# KiCad board LV08.kicad_pcb (continued)
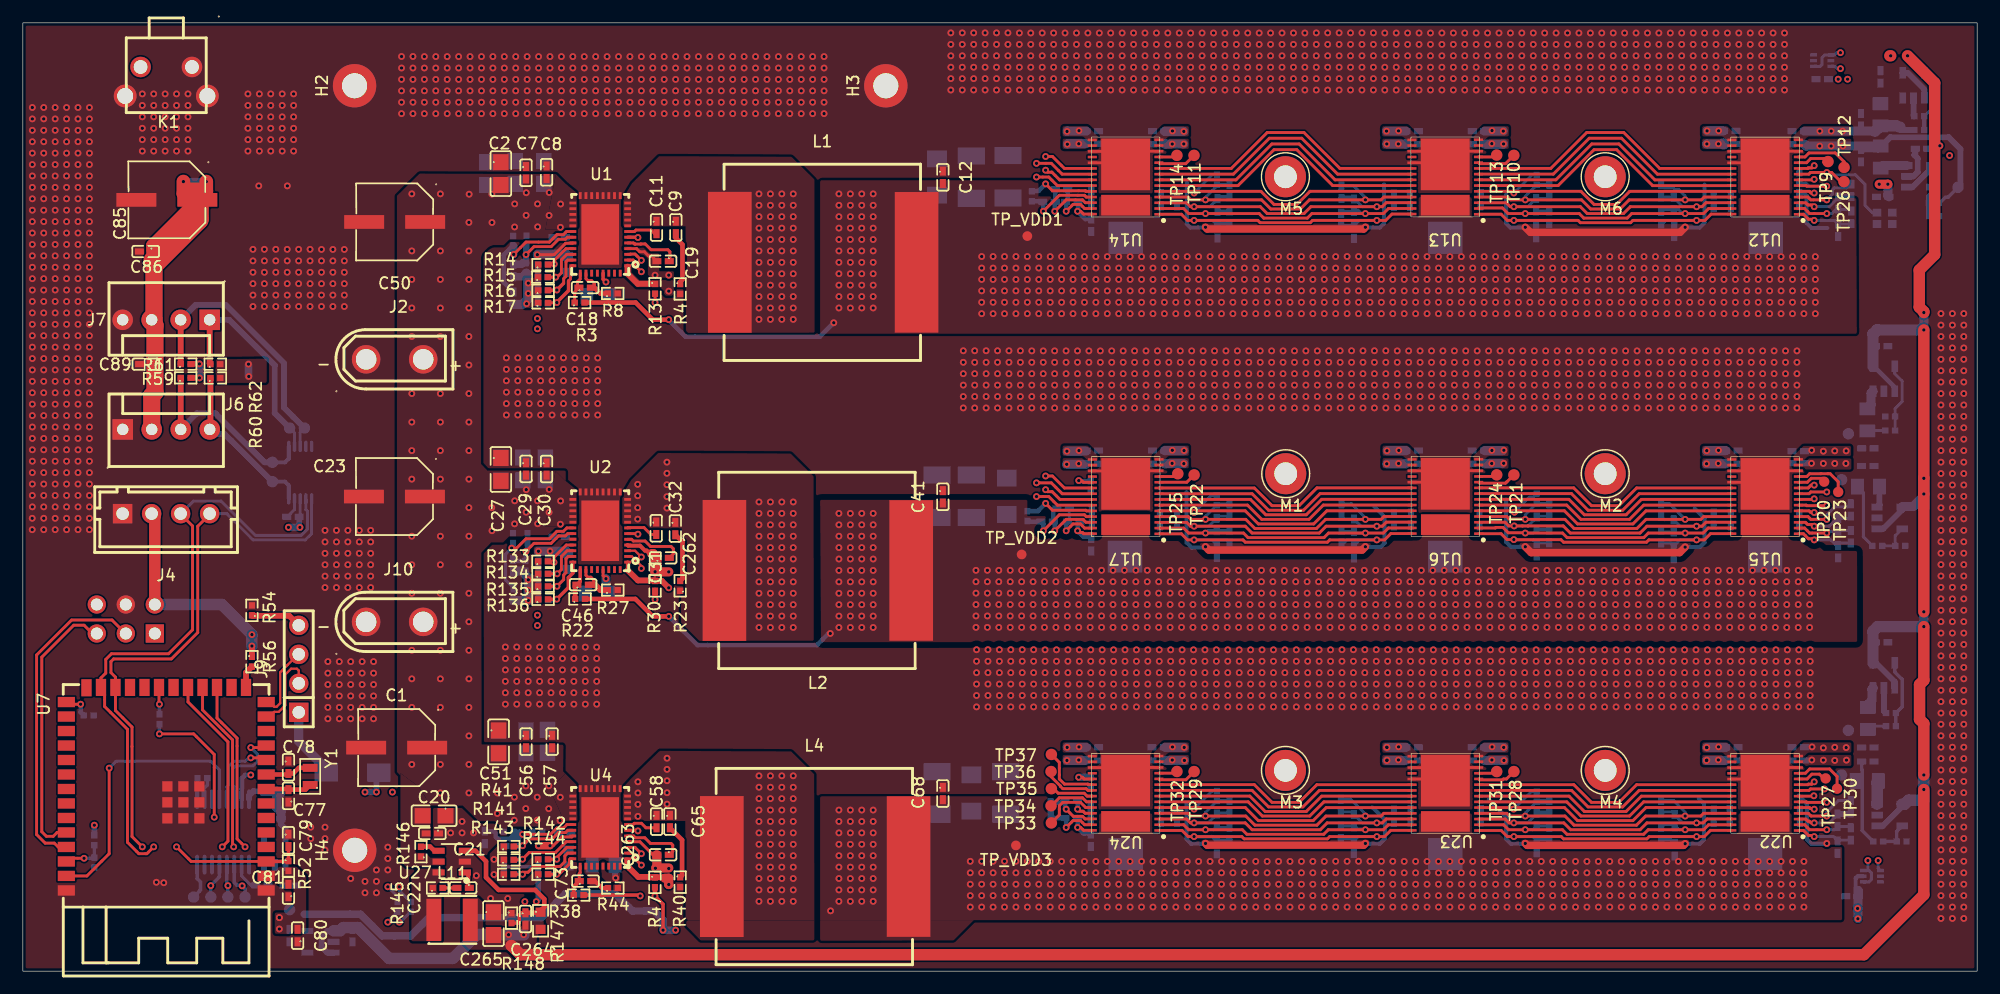
[diagram p0: board, top side]
## Routing (per net, layer and track width the routed paths; a pad name or vN(x,y) marks a point on that pad's centre or on a via; arc(x,y) is an arc through that point) (continued)
VCC_1V8_IO: length 7.4
  Bottom w0.508: C82.1 20.18,15.77 19.81,15.4 U8.16 ; C74.2 22.61,12.87 23.01,12.47 U6.5
  Bottom w0.8: C82.1 22.28,15.77 TP_1V8_IO1.1 22.21,15.35 22.21,14.34 22.24,14.34 22.61,13.97 C74.2
VCC_3V3: length 379.7
  Top w0.254: v1(55.36,58.6) 55.36,59.37 R13.2
  Top w0.3: v1(55.35,6.58) 56.06,5.87 v1(56.06,3.59)
  Top w0.4: 55.36,6.57 v1(55.35,6.58) R47.2
  Top w0.508: v1(15.46,52) 14.69,52 R59.2 ; R56.1 v1(20.06,28.5) ; R30.2 v1(55.36,32.57) ; v1(15.46,53.22) 14.71,53.22 R61.2
  Top w1: J4.2 11.56,39.81 J3.2
  In2.Cu w0.3: 158.81,3.09 158.36,3.09
  In2.Cu w0.4: 158.81,3.09 159.96,3.09 160.46,3.59 160.46,4.37 v1(160.69,4.59) ; v1(57.16,3.59) 57.66,3.09 158.36,3.09 ; v1(160.66,5.5) 160.51,5.65 160.51,5.87 160.36,6.02 160.36,13.12 160.46,13.22 160.46,15.9 162.66,18.09 162.66,40.62 163.16,41.12 163.16,66.17 161.36,67.97 161.36,77.09 160.28,78.17 v1(159.78,78.17)
  In2.Cu w0.508: v1(158.96,78.17) v1(159.78,78.17)
  In2.Cu w0.8: v1(20.06,28.5) 20.06,21.82 21.38,20.5 21.38,18.12 20.46,17.2 v1(19.96,17.2) 19.96,14.09 22.46,11.59 v1(22.46,4.7) v1(22.46,3.7) ; J3.2 11.56,39.78 11.29,40.04 11.29,41.73 15.16,45.59 17.16,45.59 18.26,46.7 18.26,48.3 15.46,51.1 v1(15.46,52)
  In4.Cu w0.4: v1(55.36,58.6) 56.06,57.9 56.76,57.9 57.26,57.4 57.26,34.7 56.86,34.3 56.26,34.3 55.36,33.4 v1(55.36,32.57) 55.38,32.57 56.16,31.8 56.86,31.8 57.26,31.4 57.26,8.7 56.86,8.3 56.26,8.3 55.36,7.4 55.36,6.59 v1(55.35,6.58)
  In4.Cu w0.508: v1(55.35,6.58) 55.38,6.62
  In4.Cu w0.8: J4.2 11.28,39.2 12.49,38 22.36,38 v1(23.26,38.9)
  Bottom w0.254: 24.31,39.82 24.29,39.84 U9.3
  Bottom w0.35: U10.5 160.66,8.32 160.49,8.16 160.49,7.27 160.7,7.07
  Bottom w0.4: v1(19.96,17.2) 19.46,17.2 19.18,16.92 19.18,16 19.16,15.97 U8.15
  Bottom w0.508: v1(24.26,38.9) 24.2,38.95 C84.2
  Bottom w0.65: v1(15.46,53.22) v1(15.46,52) ; 24.63,5 29.56,5 31.46,3.09 33.96,3.09 35.56,4.7 45.41,4.7 47.51,6.8 51.86,6.8 53.38,5.27 54.49,5.27 54.51,5.3 55.26,5.3 56.06,4.5 v1(56.06,3.59) v1(57.16,3.59) ; v1(23.26,38.9) v1(24.26,38.9)
  Bottom w0.8: v1(160.69,4.59) 160.69,5.47 v1(160.66,5.5) 160.69,5.52 160.69,6.55 C87.1 160.71,7.05 160.7,7.07
  Bottom w1: J3.2 17.42,32.13 v1(20.06,29.5) v1(20.06,28.5)
VCC_5V0: length 336.1
  Top w1: v1(166.46,30.2) 166.46,25.5 166.09,25.12 166.09,22.07 166.46,21.7 v1(166.46,17.2) ; v1(166.46,57.72) 166.46,57.8 166.06,58.2 166.06,61.45 167.41,62.8 167.41,77.84 v1(165.03,80.22) ; v1(166.46,31.5) v1(166.46,41.82) v1(166.46,43.2) v1(166.46,56.2) ; 42.76,2.24 42.79,2.24 43.59,1.45 161.21,1.45 166.46,6.7 v1(166.46,15.92) ; 163.49,80.22 v1(163.56,80.22)
  In2.Cu w0.8: v1(19.79,52.12) 19.79,52.02 20.16,51.65 20.16,37.59 22.16,35.59 22.16,21.9 25.26,18.8 27.86,18.8 28.18,18.47 ; v1(168.72,71.48) 167.96,72.24 167.96,72.24 v1(167.87,72.34)
  In2.Cu w1: v1(166.46,17.2) v1(166.46,15.92) ; v1(29.96,15.7) 30.09,15.7 36.56,9.22 36.56,7.5 40.86,3.2 v1(42.54,3.2) v1(43.86,3.2) ; v1(30.96,15.7) 28.18,18.47 ; v1(163.56,80.22) v1(165.03,80.22)
  Bottom w0.3: 163.91,51.17 U20.1 ; U20.4 162.06,53.02
  Bottom w0.4: 162.06,53.02 163.91,51.17
  Bottom w0.508: U25.1 163.91,25.37 162.26,27.02 U25.4 ; U18.4 165.06,78.72 166.51,77.27 U18.1 ; D1.2 30.96,17.21 v1(30.96,15.7) v1(29.96,15.7) ; U3.3 26.66,1.62 26.16,2.12 26.16,3.02 26.66,3.52 U3.1 ; U21.4 164.56,40.42 162.91,38.77 U21.1 ; U19.4 167.17,70.41 165.47,68.71 U19.1 ; U26.4 164.57,14.43 162.87,12.73 U26.1
  Bottom w0.65: v1(19.76,53.2) 19.76,52.15 v1(19.79,52.12)
  Bottom w0.8: v1(166.46,57.72) v1(166.46,56.2) ; v1(166.46,31.5) v1(166.46,30.2) ; U21.4 164.61,40.72 165.53,40.72 166.46,41.65 v1(166.46,41.82)
  Bottom w1: U26.4 164.79,14.63 165.14,14.99 166.46,14.99 166.46,14.99 v1(166.46,17.2) ; v1(43.86,3.2) 43.86,3.2 TP_5V0.1 41.23,3.22 39.76,3.22 37.66,1.12 32.06,1.12 29.36,3.82 28.06,3.82 27.78,3.54 27.21,3.54 ; U20.4 162.01,55.84 162.36,56.2 v1(166.46,56.2) ; U25.4 162.01,29.79 162.41,30.2 v1(166.46,30.2) ; v1(166.46,43.2) C194.2
VCC_12V0: length 34.9
  Top w0.254: J7.3 11.28,56.94 11.26,56.92
  Top w1: C86.1 11.3,63.62 C85.1
  Top w1.2: v1(16.06,69.2) 16.06,68.38 ; 16.06,68.38 16.06,67.7 ; 16.06,68.38 15.93,68.51 14.43,68.51 14.06,68.14 v1(14.06,69.2)
  Top w1.5: 11.56,61.95 11.49,61.87 11.49,57.15 11.26,56.92 11.57,56.61 11.57,50.73 11.29,50.45 J6.2
  Top w2: C85.1 15.28,65.94 11.56,62.22
  Bottom w0.65: v1(14.06,69.2) v1(16.06,69.2)
  vias: v1(34.06,68.12) v1(34.06,63.12) v1(34.06,60.62) v1(34.06,58.12) v1(34.06,55.62) v1(34.06,50.62) v1(34.06,48.12) v1(34.06,45.62) v1(34.06,43.12) v1(34.06,38.12) v1(34.06,35.62) v1(34.06,33.12) v1(34.06,28.12) v1(34.06,25.62) v1(34.06,23.12) v1(34.06,18.12) v1(36.56,68.12) v1(36.56,63.12) v1(36.56,60.62) v1(36.56,58.12) v1(36.56,55.62) v1(36.56,50.62) v1(36.56,48.12) v1(36.56,45.62) v1(36.56,43.12) v1(36.56,38.12) v1(36.56,35.62) v1(36.56,33.12) v1(36.56,28.12) v1(36.56,25.62) v1(36.56,23.12) v1(36.56,18.12) v1(36.56,15.62) v1(39.08,68.09) v1(39.06,65.62) v1(39.06,63.12) v1(39.06,60.62) v1(39.06,58.12) v1(39.06,55.62) v1(39.06,53.12) v1(39.06,50.62) v1(39.06,48.12) v1(39.06,45.62) v1(39.06,43.12) v1(39.06,40.62) v1(39.06,38.12) v1(39.06,35.62) v1(39.06,33.12) v1(39.06,30.62) v1(39.06,28.12) v1(39.06,25.62) v1(39.06,23.12) v1(39.06,20.62) v1(39.06,18.12) v1(39.06,15.62) v1(41.07,68.1) v1(41.08,65.61) v1(41.06,40.62) v1(41.08,38.6) v1(41.56,15.62) v1(41.55,13.82) v1(43.07,67.24) v1(43.06,65.22) v1(43.07,41.22) v1(43.06,39.2) v1(43.04,15.25) v1(43.03,13.23) v1(44.08,68.22) v1(44.07,66.24) v1(44.08,42.2) v1(44.07,40.22) v1(44.05,16.23) v1(44.04,14.25) v1(45.07,67.24) v1(45.08,65.23) v1(45.07,41.22) v1(45.08,39.21) v1(45.04,15.25) v1(45.05,13.24) v1(46.09,68.24) v1(46.08,66.23) v1(46.09,42.22) v1(46.08,40.21) v1(46.06,16.25) v1(46.05,14.24) v1(47.09,67.23) v1(47.07,65.19) v1(47.09,41.21) v1(47.07,39.17) v1(47.06,15.24) v1(47.04,13.2)
/BM1366_mode1_sheet_1/BI: length 5
  Top w0.254: v1(157.96,68.8) 156.21,68.8 156.16,68.84 U12.6
  Bottom w0.254: R69.2 156.15,69.05 156.41,68.8 v1(157.96,68.8)
/BM1366_mode1_sheet_1/BO1: length 120.2
  Top w0.254: v1(88.76,69.59) 89.84,69.59 90.59,68.84 U14.23 ; v1(157.96,40.8) 156.21,40.8 156.16,40.84 U15.6
  In2.Cu w0.254: v1(157.96,40.8) 159.99,40.8 161.92,42.73 161.92,65.26 158.66,68.52 158.66,69 158.26,69.4 157.71,69.4 157.11,68.8 156.56,68.8 156.11,69.25 147.74,69.25 146.69,70.3 143.84,70.3 139.94,66.4 137.26,66.4 133.26,70.4 129.03,70.4 127.89,69.25 119.74,69.25 118.69,70.3 115.84,70.3 111.94,66.4 109.26,66.4 105.26,70.4 101.03,70.4 99.89,69.25 90.78,69.25 89.94,68.4 89.26,68.4 88.76,68.9 v1(88.76,69.59)
/BM1366_mode1_sheet_1/CI: length 227.4
  Top w0.254: v1(156.86,70.59) 156.66,70.4 156.34,70.4 156.29,70.35 U12.9
  In4.Cu w0.254: v1(156.86,70.59) 158.26,70.59 159.16,69.7 159.16,68.72 162.56,65.32 162.56,41.84 164.86,39.55 164.86,2.2 164.06,1.4 58.46,1.4 57.76,0.7 28.16,0.7 21.96,6.9 19.91,6.9 19.77,6.75 18.7,6.75 v1(17.96,7.5)
  Bottom w0.3: U8.4 17.86,7.62 17.96,7.52 17.96,7.52 v1(17.96,7.5) TP2.1
/BM1366_mode1_sheet_1/CLKI: length 11.3
  Top w0.254: TP26.1 159.19,69.19 158.39,70 v1(157.96,70) 156.53,70 156.39,69.85 U12.8
  Bottom w0.254: v1(157.96,70) 158.03,69.92 158.28,69.92 158.41,69.8 160.46,69.8 161.31,68.95 161.31,67.12 161.96,66.47 Y2.3
/BM1366_mode1_sheet_1/CLKO1: length 121
  Top w0.254: v1(157.96,42) 156.56,42 156.41,41.85 U15.8 ; v1(88.76,70.8) 90.06,70.8 91.01,69.85 U14.21
  In2.Cu w0.254: v1(157.96,42) 160.06,42 161.21,43.15 161.21,64.55 158.76,67 157.71,67 157.11,66.4 156.56,66.4 156.06,66.9 156.06,67.37 154.99,68.45 147.36,68.45 146.51,69.3 144.26,69.3 140.36,65.4 136.84,65.4 132.64,69.59 129.66,69.59 128.51,68.45 119.36,68.45 118.51,69.3 116.26,69.3 112.36,65.4 108.84,65.4 104.64,69.59 101.66,69.59 100.51,68.45 91.41,68.45 90.56,67.59 88.64,67.59 87.56,68.67 87.56,70 88.21,70.65 88.61,70.65 v1(88.76,70.8)
/BM1366_mode1_sheet_1/CO1: length 121.6
  Top w0.254: U14.20 91.2,70.35 90.16,71.4 v1(89.56,71.4) ; U15.9 156.34,42.35 156.59,42.59 v1(156.86,42.59)
  In2.Cu w0.254: v1(89.56,71.4) 88.24,71.4 87.06,70.22 87.06,68.47 88.34,67.2 90.86,67.2 91.71,68.05 100.81,68.05 101.96,69.2 104.34,69.2 108.64,64.9 112.56,64.9 116.46,68.8 118.41,68.8 119.16,68.05 128.81,68.05 129.96,69.2 132.34,69.2 136.64,64.9 140.56,64.9 144.46,68.8 146.41,68.8 147.16,68.05 154.66,68.05 155.56,67.15 155.56,66.2 156.56,65.2 157.11,65.2 157.71,65.8 159.26,65.8 160.86,64.2 160.86,43.37 160.09,42.59 v1(156.86,42.59)
/BM1366_mode1_sheet_1/NRSTI: length 224.7
  Top w0.254: U12.5 156.44,68.34 156.59,68.2 156.84,68.2
  In4.Cu w0.254: v1(16.46,7.5) 16.46,7.69 17.36,8.59 22.26,8.59 28.16,2.7 33.26,2.7 34.02,1.94 57.2,1.94 58.26,3 163.66,3 164.06,3.4 164.06,38.92 161.56,41.42 161.56,64.9 158.26,68.2 v1(156.86,68.2)
  Bottom w0.3: TP1.1 v1(16.46,7.5) 16.46,7.52 17.21,8.27 U8.5
/BM1366_mode1_sheet_1/NRSTO1: length 121.1
  Top w0.254: v1(156.86,40.2) 156.84,40.22 156.53,40.22 156.42,40.34 U15.5 ; v1(89.56,69) 90.16,68.4 93.03,68.4 93.09,68.34 U14.24
  In2.Cu w0.254: v1(156.86,40.2) 159.96,40.2 162.28,42.51 162.28,65.58 159.16,68.7 159.16,69.7 158.26,70.59 157.71,70.59 157.11,70 156.51,70 156.16,69.65 147.91,69.65 146.76,70.8 143.64,70.8 139.74,66.9 137.46,66.9 133.56,70.8 128.74,70.8 127.59,69.65 119.91,69.65 118.76,70.8 115.64,70.8 111.74,66.9 109.46,66.9 105.56,70.8 100.74,70.8 99.59,69.65 90.21,69.65 v1(89.56,69)
  Bottom w0.4: v1(89.56,69) 88.94,68.37 88.39,68.37 R78.2
/BM1366_mode1_sheet_1/RI1: length 120.4
  Top w0.254: U14.22 90.78,69.35 90.11,70.02 89.74,70.02 v1(89.56,70.2) ; U15.7 156.81,41.34 v1(156.86,41.4)
  In2.Cu w0.254: v1(89.56,70.2) 88.46,70.2 88.06,69.8 88.06,68.9 88.96,68 90.26,68 91.11,68.84 100.19,68.84 101.34,70 104.96,70 109.06,65.9 112.16,65.9 116.06,69.8 118.59,69.8 119.53,68.84 128.19,68.84 129.34,70 132.94,70 137.03,65.9 140.16,65.9 144.06,69.8 146.59,69.8 147.53,68.84 155.31,68.84 156.56,67.59 157.11,67.59 157.71,68.2 158.26,68.2 161.56,64.89 161.56,42.93 160.03,41.4 v1(156.86,41.4)
/BM1366_mode1_sheet_1/RO: length 224.3
  Top w0.254: v1(156.86,69.4) 156.74,69.4 156.69,69.35 U12.7
  In4.Cu w0.254: v1(156.86,69.4) 158.26,69.4 158.66,69 158.66,68.5 162.06,65.09 162.06,41.62 164.46,39.22 164.46,2.4 163.86,1.8 58.26,1.8 57.56,1.09 28.36,1.09 21.96,7.5 19.51,7.5 19.49,7.48 v1(19.2,7.48)
  Bottom w0.3: U8.3 18.51,7.77 18.76,7.52 19.16,7.52 v1(19.2,7.48) 19.46,7.22 TP3.1
/BM1366_mode1_sheet_2/BO2: length 118.9
  Top w0.254: U17.23 90.59,40.84 89.84,41.59 v1(88.76,41.59) ; v1(157.96,14.8) 157.96,14.79 156.21,14.79 156.17,14.84 U22.6
  In4.Cu w0.254: v1(88.76,41.59) 88.76,40.9 89.26,40.4 89.96,40.4 90.81,41.25 99.89,41.25 101.03,42.4 105.24,42.4 109.24,38.4 111.94,38.4 115.84,42.3 118.69,42.3 119.74,41.25 127.89,41.25 129.03,42.4 133.26,42.4 137.26,38.4 139.94,38.4 143.84,42.3 146.69,42.3 147.74,41.25 156.11,41.25 156.56,40.8 157.11,40.8 157.71,41.4 158.76,41.4 162.41,37.75 162.41,17.2 160.01,14.8 v1(157.96,14.8)
/BM1366_mode1_sheet_2/CLKO2: length 120
  Top w0.254: v1(88.76,42.8) 90.06,42.8 91.01,41.84 U17.21 ; U22.8 156.41,15.84 156.53,15.97 v1(157.76,15.97) 157.81,15.92
  In4.Cu w0.254: v1(88.76,42.8) 88.61,42.65 88.21,42.65 87.56,42 87.56,40.67 88.64,39.59 90.56,39.59 91.41,40.45 100.51,40.45 101.66,41.59 104.64,41.59 108.84,37.4 112.36,37.4 116.26,41.3 118.51,41.3 119.36,40.45 128.51,40.45 129.66,41.59 132.64,41.59 136.84,37.4 140.36,37.4 144.26,41.3 146.51,41.3 147.36,40.45 154.99,40.45 156.06,39.37 156.06,38.9 156.56,38.4 157.11,38.4 157.71,39 159.74,39 161.61,37.12 161.61,17.55 160.06,16 157.78,16 v1(157.76,15.97)
/BM1366_mode1_sheet_2/CO2: length 120.5
  Top w0.254: v1(89.56,43.4) 90.16,43.4 91.21,42.34 U17.20 ; v1(156.86,16.59) 156.66,16.4 156.36,16.4 156.31,16.34 U22.9
  In4.Cu w0.254: v1(89.56,43.4) 88.24,43.4 87.06,42.22 87.06,40.47 88.34,39.2 90.86,39.2 91.71,40.05 100.81,40.05 101.96,41.2 104.34,41.2 108.64,36.9 112.56,36.9 116.46,40.8 118.41,40.8 119.16,40.05 128.81,40.05 129.96,41.2 132.34,41.2 136.64,36.9 140.56,36.9 144.46,40.8 146.41,40.8 147.16,40.05 154.66,40.05 155.56,39.15 155.56,38.2 156.56,37.2 157.11,37.2 157.71,37.8 160.24,37.8 161.21,36.82 161.21,17.7 160.11,16.59 v1(156.86,16.59)
/BM1366_mode1_sheet_2/NRSTO2: length 120
  Top w0.254: v1(156.86,14.2) 156.81,14.25 156.53,14.25 156.45,14.33 U22.5 ; U17.24 93.14,40.34 93.09,40.4 90.16,40.4 v1(89.56,41)
  In4.Cu w0.254: v1(89.56,41) 90.21,41.65 99.59,41.65 100.74,42.8 105.56,42.8 109.46,38.9 111.74,38.9 115.64,42.8 118.76,42.8 119.91,41.65 127.59,41.65 128.74,42.8 133.56,42.8 137.46,38.9 139.74,38.9 143.64,42.8 146.76,42.8 147.91,41.65 156.16,41.65 156.51,42 157.11,42 157.71,42.59 158.26,42.59 162.81,38.05 162.81,17.05 159.94,14.17 156.88,14.17 v1(156.86,14.2)
  Bottom w0.4: v1(89.56,41) 88.89,40.32 R100.2
/BM1366_mode1_sheet_2/RI2: length 119.4
  Top w0.254: U17.22 90.81,41.34 90.14,42.02 89.74,42.02 v1(89.56,42.2) ; v1(156.84,15.37) 156.8,15.34 U22.7
  In4.Cu w0.254: v1(89.56,42.2) 88.46,42.2 88.06,41.8 88.06,40.9 88.96,40 90.26,40 91.11,40.84 100.19,40.84 101.34,42 104.96,42 109.06,37.9 112.16,37.9 116.06,41.8 118.59,41.8 119.53,40.84 128.19,40.84 129.34,42 132.94,42 137.03,37.9 140.16,37.9 144.06,41.8 146.59,41.8 147.53,40.84 155.31,40.84 156.56,39.59 157.11,39.59 157.71,40.2 159.26,40.2 162.01,37.45 162.01,17.37 160.03,15.4 158,15.4 158,15.39 157.52,15.39 157.52,15.4 156.86,15.4 v1(156.84,15.37)
/BM1366_mode1_sheet_3/BO3: length 4
  Top w0.254: 90.06,14.49 90.06,14.5 90.76,15.2 92.78,15.2 93.14,14.84 U24.23
/BM1366_mode1_sheet_3/CLKO3: length 4.6
  Top w0.254: U24.21 93.26,15.84 93.11,16 91.06,16 90.86,16.2 90.86,16.23 90.03,17.05 TP36.1
/BM1366_mode1_sheet_3/CO3: length 5.5
  Top w0.254: TP37.1 90.76,18.3 90.76,17.8 90.76,17.8 90.76,17.19 90.76,17.19 90.76,16.84 91.21,16.4 93.26,16.4 93.31,16.35 U24.20
/BM1366_mode1_sheet_3/NRSTO3: length 5
  Top w0.254: U24.24 93.07,14.34 92.61,14.8 91.06,14.8 90.76,14.5 90.76,14.19 90.76,14.19 90.76,13.69 TP33.1
/BM1366_mode1_sheet_3/RI3: length 3.9
  Top w0.254: TP35.1 90.26,15.99 90.66,15.59 92.94,15.59 93.19,15.34 U24.22
/Buck_Converters_TPS546D24ARVFR/ALRT: length 2.4
  Top w0.254: U7.21 11.92,23.43 v1(11.96,23.4)
  Bottom w0.3: R18.2 v1(11.96,23.4)
/Buck_Converters_TPS546D24ARVFR/PGOOD_1: length 115.7
  Top w0.254: U7.17 17,22.18 18.76,20.42 18.76,11.59 v1(19.46,10.9)
  Top w0.508: R13.1 53.85,60.23 52.96,61.12 52.96,61.74
  In4.Cu w0.254: v1(56.56,59.6) 57.16,59 57.16,58.3 57.76,57.7 57.76,32.3 58.26,31.8 58.26,6.27 56.79,4.8 53.26,4.8 51.66,6.4 49.06,6.4 48.16,5.5 46.46,5.5 45.66,4.7 40.36,4.7 39.76,5.3 28.86,5.3 23.26,10.9 v1(19.46,10.9)
/Buck_Converters_TPS546D24ARVFR/PGOOD_2: length 91.9
  Top w0.254: U7.18 15.73,22.9 18.36,20.27 18.36,11 v1(18.46,10.9)
  Top w0.3: U2.1 52.96,35.15 52.96,35.15
  Top w0.508: v1(56.56,33.59) 55.95,34.2 R30.1 55.32,34.25 53.86,34.25 52.96,35.15
  In4.Cu w0.254: v1(18.46,10.9) 19.06,11.5 23.26,11.5 29.06,5.7 39.96,5.7 40.56,5.09 45.46,5.09 46.26,5.9 47.99,5.9 48.88,6.8 51.84,6.8 53.43,5.2 56.63,5.2 57.86,6.42 57.86,31.59 57.36,32.09 57.36,32.8 v1(56.56,33.59)
/Buck_Converters_TPS546D24ARVFR/PGOOD_3: length 66.7
  Top w0.254: U7.19 14.46,23.59 17.96,20.09 17.96,11.4 v1(17.46,10.9)
  Top w0.508: 52.92,9.71 52.92,9.22 53.89,8.26 54.88,8.26 54.92,8.22 R47.1 55.36,8.23 56.14,8.23 56.23,8.14
  Top w0.8: 56.23,8.14 56.55,8.14 56.56,8.13 56.56,7.6 v1(56.56,7.59)
  In4.Cu w0.254: v1(56.56,7.59) 57.16,7 57.16,6.3 56.46,5.59 53.59,5.59 51.99,7.2 48.74,7.2 47.84,6.3 46.06,6.3 45.26,5.5 40.76,5.5 40.16,6.09 29.26,6.09 23.46,11.9 18.46,11.9 v1(17.46,10.9)
/Buck_Converters_TPS546D24ARVFR/PMB_ALRT: length 109.7
  Top w0.254: v1(16.76,13.5) 16.76,19 14.96,20.8 v1(11.96,20.8) ; U4.6 53.81,12.35 v1(53.86,12.3) ; U2.6 53.81,38.35 v1(53.86,38.3)
  Top w0.3: v1(53.86,64.3) 53.84,64.32 U1.6
  In4.Cu w0.254: v1(53.86,64.3) 52.76,63.2 52.76,39.09 53.56,38.3 v1(53.86,38.3) 52.7,37.14 52.7,13.05 53.31,12.45 53.71,12.45 v1(53.86,12.3) 53.86,11.7 52.26,10.09 48.06,10.09 47.06,9.09 35.46,9.09 30.86,13.7 16.96,13.7 v1(16.76,13.5)
  Bottom w0.3: R18.1 v1(11.96,20.8)
/Buck_Converters_TPS546D24ARVFR/PMB_SCL: length 84.1
  Top w0.2: v1(54.16,36.3) 53.61,36.85 U2.3
  Top w0.254: U4.3 53.61,10.85 v1(54.16,10.3) ; U1.3 53.18,62.82 53.21,62.85 53.61,62.85 v1(54.16,62.3)
  In4.Cu w0.254: v1(31.96,7.4) 32.56,8 33.26,8 33.76,7.5 47.21,7.5 48.91,9.2 53.06,9.2 v1(54.16,10.3) 54.96,11.09 54.96,30.59 53.76,31.8 53.76,34.8 53.56,35 53.56,35.7 v1(54.16,36.3) 54.96,37.09 54.96,56.8 53.76,58 53.76,60.6 53.56,60.8 53.56,61.7 v1(54.16,62.3)
  Bottom w0.254: v1(31.96,7.4) 31.96,7.38 32.81,6.53 R12.1
/Buck_Converters_TPS546D24ARVFR/PMB_SDA: length 83.3
  Top w0.2: U2.2 53.33,36.35 54.16,35.52 v1(54.16,35.3)
  Top w0.254: v1(54.16,9.3) 53.51,9.95 53.51,10.22 53.38,10.35 U4.2 ; U1.2 53.44,62.32 53.58,62.17 53.58,61.87 v1(54.16,61.3)
  In4.Cu w0.254: v1(32.96,7.4) 33.26,7.09 47.38,7.09 49.09,8.8 53.66,8.8 v1(54.16,9.3) 54.16,9.45 55.36,10.65 55.36,30.77 54.16,31.97 v1(54.16,35.3) 54.16,35.45 55.36,36.65 55.36,56.97 54.16,58.17 v1(54.16,61.3)
  Bottom w0.254: R11.1 32.96,7.07 v1(32.96,7.4)
/Buck_Converters_TPS546D24ARVFR/SCL: length 298.8
  Top w0.254: v1(11.46,10.9) 10.86,10.3 10.16,10.3 9.16,11.3 9.16,21.2 7.16,23.2 7.16,24.25 6.84,24.56 U7.25 6.84,25.7 7.26,26.12 7.26,27.32 7.76,27.82 12.76,27.82 14.86,29.92 14.86,39.02 13.83,40.04
  In2.Cu w0.254: v1(31.96,4.3) 32.56,3.7 34.66,3.7 36.96,1.4 160.66,1.4 162.26,3 162.26,9.5 v1(162.46,9.7) 162.46,9.95 162.26,10.15 162.26,15.37 164.86,17.97 164.86,70.82 165.86,71.82 165.86,75.37 161.24,80 159.66,80 v1(159.16,80.5)
  In4.Cu w0.254: v1(11.46,10.9) 12.46,9.9 22.96,9.9 28.56,4.3 v1(31.96,4.3)
  Bottom w0.254: U11.1 157.39,79.29 157.55,79.46 157.55,80.07 157.78,80.29 U11.4 158.64,80.29 158.84,80.5 v1(159.16,80.5) ; v1(31.96,4.3) 31.96,4.35 R12.2 ; U10.1 162.46,9.02 v1(162.46,9.7) ; U9.2 24.79,40.44 24.93,40.3 24.93,38.75 24.38,38.2 20.36,38.2 17.36,41.2 14.93,41.2 13.84,40.09 J4.3
/Buck_Converters_TPS546D24ARVFR/SDA: length 293.7
  Top w0.254: 16.37,40.04 15.32,38.99 15.32,29.68 13.01,27.37 7.95,27.37 7.71,27.13 7.71,26.17 8.11,25.77 U7.24 8.11,22.84 9.56,21.4 9.56,11.8 v1(10.46,10.9)
  In2.Cu w0.254: v1(32.96,4.3) 33.16,4.09 34.86,4.09 37.16,1.8 160.49,1.8 161.86,3.17 161.86,9.4 v1(161.56,9.7) 161.71,9.84 161.71,10.09 161.86,10.25 161.86,15.52 164.46,18.12 164.46,71 165.46,72 165.46,75.2 161.06,79.59 159.66,79.59 v1(159.16,79.09)
  In4.Cu w0.254: v1(32.96,4.3) 32.36,3.7 28.56,3.7 22.76,9.5 11.86,9.5 v1(10.46,10.9)
  Bottom w0.254: U9.1 25.29,38.35 24.74,37.8 20.16,37.8 17.86,40.09 J4.4 ; 161.48,8.82 161.56,8.9 v1(161.56,9.7) ; 161.48,8.82 161.66,8.82 161.86,8.62 161.86,8.02 161.66,7.82 U10.4 ; 161.48,8.82 U10.6 ; v1(32.96,4.3) 33.05,4.3 R11.2 ; v1(159.16,79.09) 158.87,79.09 158.67,79.29 U11.6
/ESP32/ASIC_RST: length 24.8
  Top w0.254: v1(7.56,17.8) 7.56,10.3 5.61,8.35 U7.39
  Bottom w0.254: U8.12 17.21,17.64 16.46,18.4 8.16,18.4 v1(7.56,17.8)
/ESP32/D+: length 6.5
  Top w0.2: 24.11,27.77 23.17,26.83 23.17,26.82 22.54,26.19 22.54,23.49 22.22,23.18 22.02,23.18 21.61,23.59 U7.14
  Top w0.254: 24.11,27.77 J9.3
/ESP32/D-: length 7.4
  Top w0.2: J9.2 24.16,26.34 24,26.51 23.49,26.51 22.99,26 22.99,23.3 22.41,22.73 22.02,22.73 21.61,22.32 U7.13
/ESP32/EN: length 85.5
  Top w0.254: v1(13.46,10.9) 14.74,9.62 U7.3
  Top w0.3: C79.2 R52.1 23.22,9.62 U7.3
  In2.Cu w0.254: v1(13.46,10.9) 10.76,13.59 10.76,24.09 11.56,24.9 11.56,29.59 J3.1 10.29,30.86 10.29,34.07 7.06,37.3 7.06,77.5 8.81,79.24 K1.2
/ESP32/ESP32_RX: length 8
  Top w0.254: v1(19.96,19.59) 20.71,19.59 20.89,19.78 U7.11
  Bottom w0.254: U8.14 18.51,16.17 18.41,16.27 18.41,17.77 18.63,18 20.16,18 20.54,18.37 20.54,19.02 v1(19.96,19.59)
/ESP32/ESP32_TX: length 6.6
  Top w0.254: U7.10 20.85,18.51 20.66,18.7 v1(19.96,18.7)
  Bottom w0.254: U8.13 17.86,16.17 18.01,16.32 18.01,17.95 18.46,18.4 19.46,18.4 19.76,18.7 v1(19.96,18.7)
/ESP32/IO0: length 12.5
  Top w0.254: v1(5.06,23.4) 4,23.4 U7.27
  In2.Cu w0.254: J3.6 4.16,29.82 4.16,29.09 5.06,28.2 v1(5.06,23.4)
  Bottom w0.4: v1(5.06,23.4) 5.06,22.69 R149.2
/ESP32/P_RX: length 24
  Top w0.254: U7.36 3,12.16 2.66,11.82 2.06,11.82 1.66,12.22 1.66,27.52 4.46,30.32 5.36,30.32 6.09,29.59 J3.5
/ESP32/P_TX: length 28.4
  Top w0.254: J3.3 8.99,29.59 7.8,30.78 4.27,30.78 1.2,27.71 1.2,11.98 1.96,11.22 2.76,11.22 3.09,10.89 U7.37
/ESP32/XIN32: length 4
  Top w0.4: U7.8 23.2,15.97 C77.2 24.75,15.91 Y1.1
/ESP32/XOUT32: length 4.1
  Top w0.4: U7.9 23.17,17.24 C78.2 23.66,17.32 24.16,17.82 Y1.2
/Sensors_Modules/FAN1_PWM: length 14.7
  Top w0.508: J6.4 16.43,47.54 R60.1
  Bottom w0.35: TP5.1 22.96,42.9 23.29,42.57 U9.5
  Bottom w0.508: J6.4 16.77,47.07 17.66,47.07 18.24,46.5 18.26,46.5 TP5.1
/Sensors_Modules/FAN1_TACH: length 17.6
  Top w0.508: J6.3 R59.1
  Bottom w0.35: TP6.1 21.86,44.59 22.96,44.59 23.29,44.92 U9.6
  Bottom w0.508: TP6.1 21.16,44.6 16.86,48.9 15.24,48.9 J6.3
/Sensors_Modules/FAN2_PWM: length 19.1
  Top w0.508: R62.1 16.36,53.25 J7.1
  Bottom w0.254: U9.7 23.79,47.17 TP7.1
  Bottom w0.508: TP7.1 22.06,48.9 22.06,53.1 18.07,57.08 J7.1
/Sensors_Modules/FAN2_TACH: length 23.8
  Top w0.508: J7.2 13.82,53.2 R61.1
  Bottom w0.254: U9.8 24.29,47.23 TP8.1
  Bottom w0.508: J7.2 15.13,58.4 17.76,58.4 22.86,53.3 22.86,49.4 23.66,48.6 TP8.1
Net-(C9-Pad2): length 4.7
  Top w0.4: R4.1 57.56,60.42 57.76,60.62 57.76,63.67 57.16,64.27 57.16,64.62 C9.2
Net-(C11-Pad1):
  vias: v1(64.46,68.12) v1(64.46,67.12) v1(64.46,66.12) v1(64.46,65.12) v1(64.46,64.12) v1(64.46,63.12) v1(64.46,62.12) v1(64.46,61.12) v1(64.46,60.12) v1(64.46,59.12) v1(64.46,58.12) v1(64.46,57.12) v1(65.46,68.12) v1(65.46,67.12) v1(65.46,66.12) v1(65.46,65.12) v1(65.46,64.12) v1(65.46,63.12) v1(65.46,62.12) v1(65.46,61.12) v1(65.46,60.12) v1(65.46,59.12) v1(65.46,58.12) v1(65.46,57.12) v1(66.46,68.12) v1(66.46,67.12) v1(66.46,66.12) v1(66.46,65.12) v1(66.46,64.12) v1(66.46,63.12) v1(66.46,62.12) v1(66.46,61.12) v1(66.46,60.12) v1(66.46,59.12) v1(66.46,58.12) v1(66.46,57.12) v1(67.46,68.12) v1(67.46,67.12) v1(67.46,66.12) v1(67.46,65.12) v1(67.46,64.12) v1(67.46,63.12) v1(67.46,62.12) v1(67.46,61.12) v1(67.46,60.12) v1(67.46,59.12) v1(67.46,58.12) v1(67.46,57.12)
Net-(C22-Pad2): length 1.3
  Top w0.3: C22.2 36.76,7.3 R145.2
Net-(C31-Pad1):
  vias: v1(53.84,42.67) v1(53.84,41.67) v1(53.84,40.62) v1(53.84,39.62) v1(56.4,44.61) v1(56.4,43.63) v1(56.4,42.63) v1(56.4,41.58) v1(56.4,40.59) v1(64.46,41.12) v1(64.46,40.12) v1(64.46,39.12) v1(64.46,38.12) v1(64.46,37.12) v1(64.46,36.12) v1(64.46,35.12) v1(64.46,34.12) v1(64.46,33.12) v1(64.46,32.12) v1(64.46,31.12) v1(64.46,30.12) v1(65.46,41.12) v1(65.46,40.12) v1(65.46,39.12) v1(65.46,38.12) v1(65.46,37.12) v1(65.46,36.12) v1(65.46,35.12) v1(65.46,34.12) v1(65.46,33.12) v1(65.46,32.12) v1(65.46,31.12) v1(65.46,30.12) v1(66.46,41.12) v1(66.46,40.12) v1(66.46,39.12) v1(66.46,38.12) v1(66.46,37.12) v1(66.46,36.12) v1(66.46,35.12) v1(66.46,34.12) v1(66.46,33.12) v1(66.46,32.12) v1(66.46,31.12) v1(66.46,30.12) v1(67.46,41.12) v1(67.46,40.12) v1(67.46,39.12) v1(67.46,38.12) v1(67.46,37.12) v1(67.46,36.12) v1(67.46,35.12) v1(67.46,34.12) v1(67.46,33.12) v1(67.46,32.12) v1(67.46,31.12) v1(67.46,30.12)
Net-(C32-Pad2): length 4.4
  Top w0.4: R23.2 57.76,34.4 57.76,37.63 57.16,38.23
Net-(C58-Pad1):
  vias: v1(53.86,16.59) v1(53.86,15.62) v1(53.86,14.62) v1(53.86,13.57) v1(56.41,18.66) v1(56.41,17.69) v1(56.41,16.69) v1(56.41,15.64) v1(56.41,14.64) v1(64.46,17.12) v1(64.46,16.12) v1(64.46,15.12) v1(64.46,14.12) v1(64.46,13.12) v1(64.46,12.12) v1(64.46,11.12) v1(64.46,10.12) v1(64.46,9.12) v1(64.46,8.12) v1(64.46,7.12) v1(64.46,6.12) v1(65.46,17.12) v1(65.46,16.12) v1(65.46,15.12) v1(65.46,14.12) v1(65.46,13.12) v1(65.46,12.12) v1(65.46,11.12) v1(65.46,10.12) v1(65.46,9.12) v1(65.46,8.12) v1(65.46,7.12) v1(65.46,6.12) v1(66.46,17.12) v1(66.46,16.12) v1(66.46,15.12) v1(66.46,14.12) v1(66.46,13.12) v1(66.46,12.12) v1(66.46,11.12) v1(66.46,10.12) v1(66.46,9.12) v1(66.46,8.12) v1(66.46,7.12) v1(66.46,6.12) v1(67.46,17.12) v1(67.46,16.12) v1(67.46,15.12) v1(67.46,14.12) v1(67.46,13.12) v1(67.46,12.12) v1(67.46,11.12) v1(67.46,10.12) v1(67.46,9.12) v1(67.46,8.12) v1(67.46,7.12) v1(67.46,6.12)
Net-(C65-Pad2): length 4.9
  Top w0.4: R40.1 57.73,8.4 57.73,11.5 56.63,12.59
Net-(C91-Pad1): length 5.5
  Top w0.254: v1(157.96,67.59) 156.56,67.59 156.32,67.84 U12.4
  Bottom w0.254: v1(157.96,67.59) 158.46,68.1 158.46,68.49 158.62,68.65 159.69,68.65 160.01,68.97 C91.1
Net-(C98-Pad2): length 28.8
  Top w0.254: U12.25 147.23,67.84 146.99,67.59 v1(145.56,67.59) 140.66,67.59 139.86,66.8 137.28,66.8 136.49,67.59 v1(131.56,67.59) 130.28,67.59 130.04,67.84 U13.4
  Bottom w0.254: C98.2 143.46,68.94 143.76,68.65 144.51,68.65 144.66,68.5 145,68.5 145.56,67.94 v1(145.56,67.59) ; C99.1 132.62,68.96 R76.1 131.56,67.9 v1(131.56,67.59)
Net-(C106-Pad2): length 28.6
  Top w0.254: U14.4 102.04,67.84 102.28,67.59 v1(103.56,67.59) 108.47,67.59 109.27,66.8 111.86,66.8 112.66,67.59 v1(117.56,67.59) 118.94,67.59 119.18,67.84 U13.25
  Bottom w0.254: v1(103.56,67.59) 103.56,67.82 104.56,68.82 R77.1 104.58,68.96 C107.1 ; v1(117.56,67.59) 117.56,67.79 116.53,68.82 C106.2